# Altium PCB GN-1846-A-V2.PcbDoc (part 1 of 4)
Units mil, origin at the board's own origin, x right, y up, seen from the top; angles counter-clockwise.
Board outline 11624.17 x 2384.02 mil, 4 copper layers (Top, GND, VCC, Bottom), stack 40.7 mil thick; 450 components, 346 nets, 1652 pads, 832 vias.
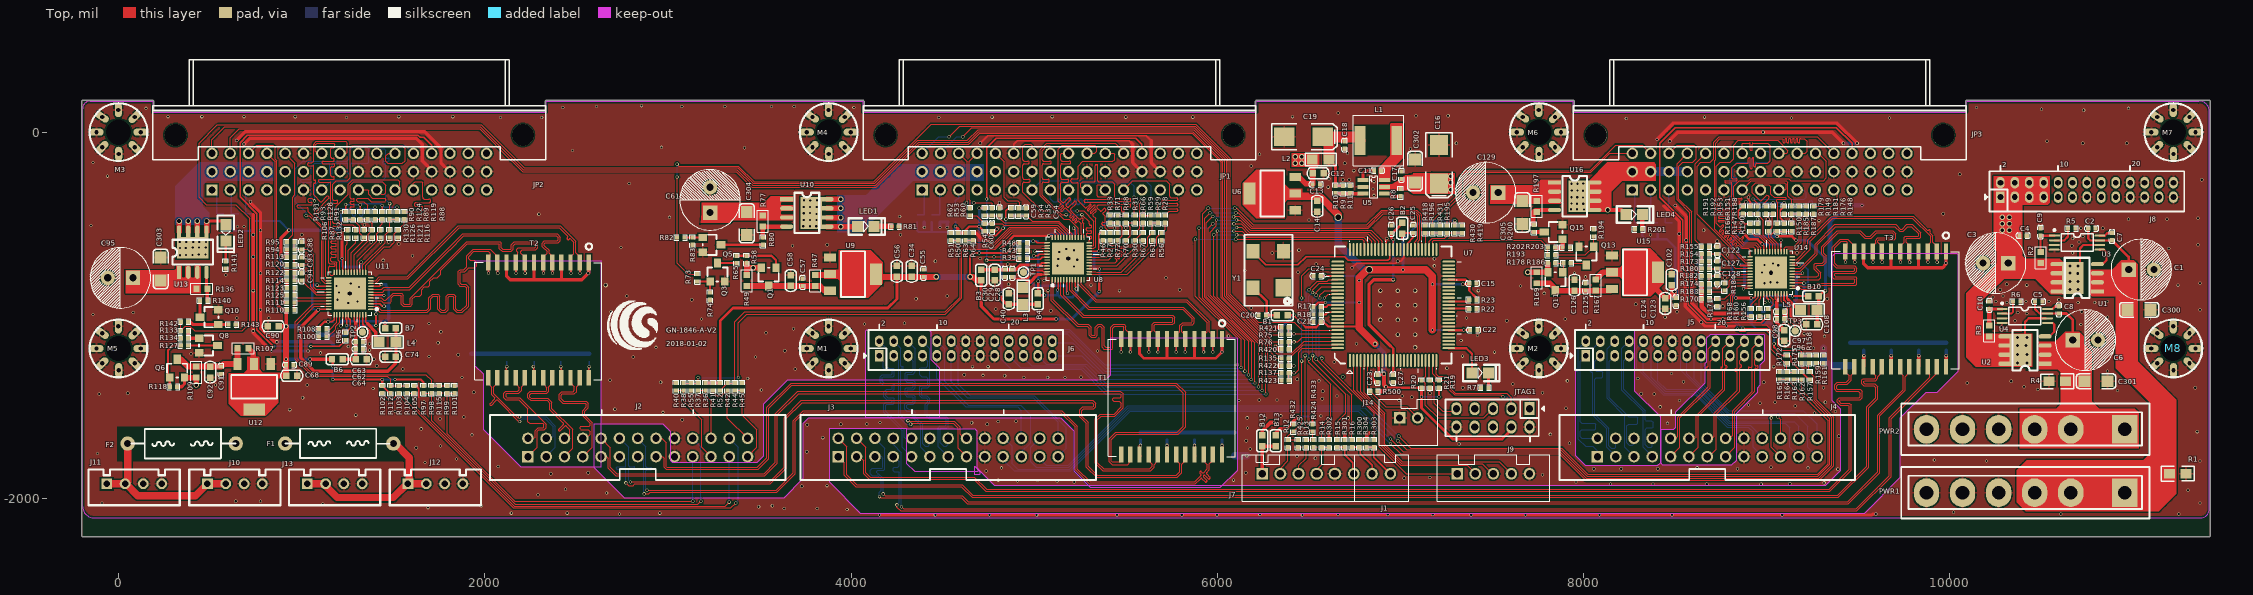
[diagram p0: Top view]
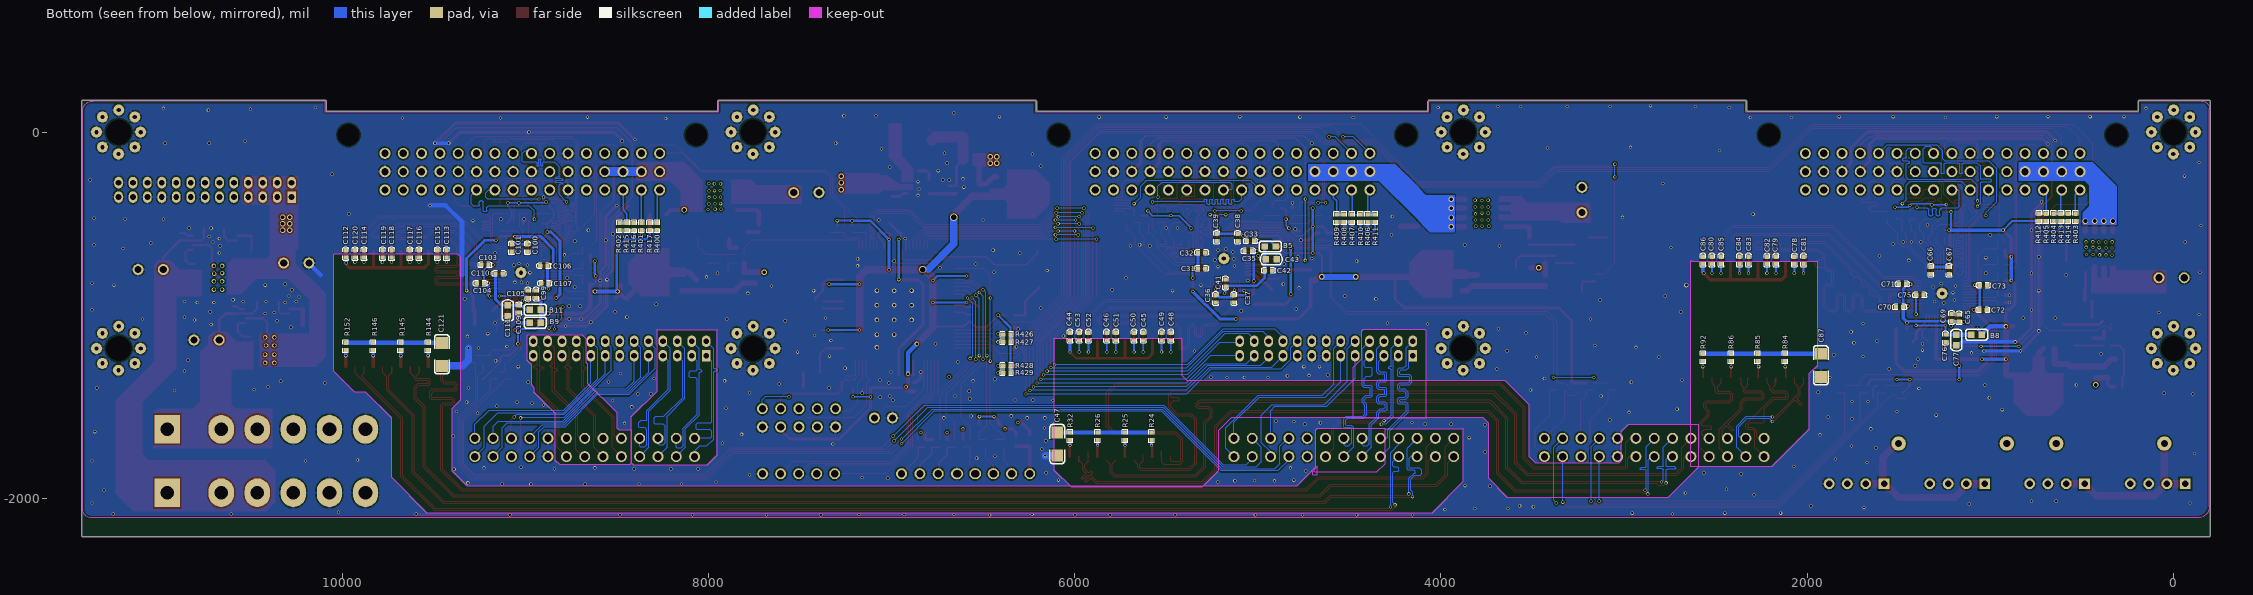
[diagram p1: Bottom view, seen from below]
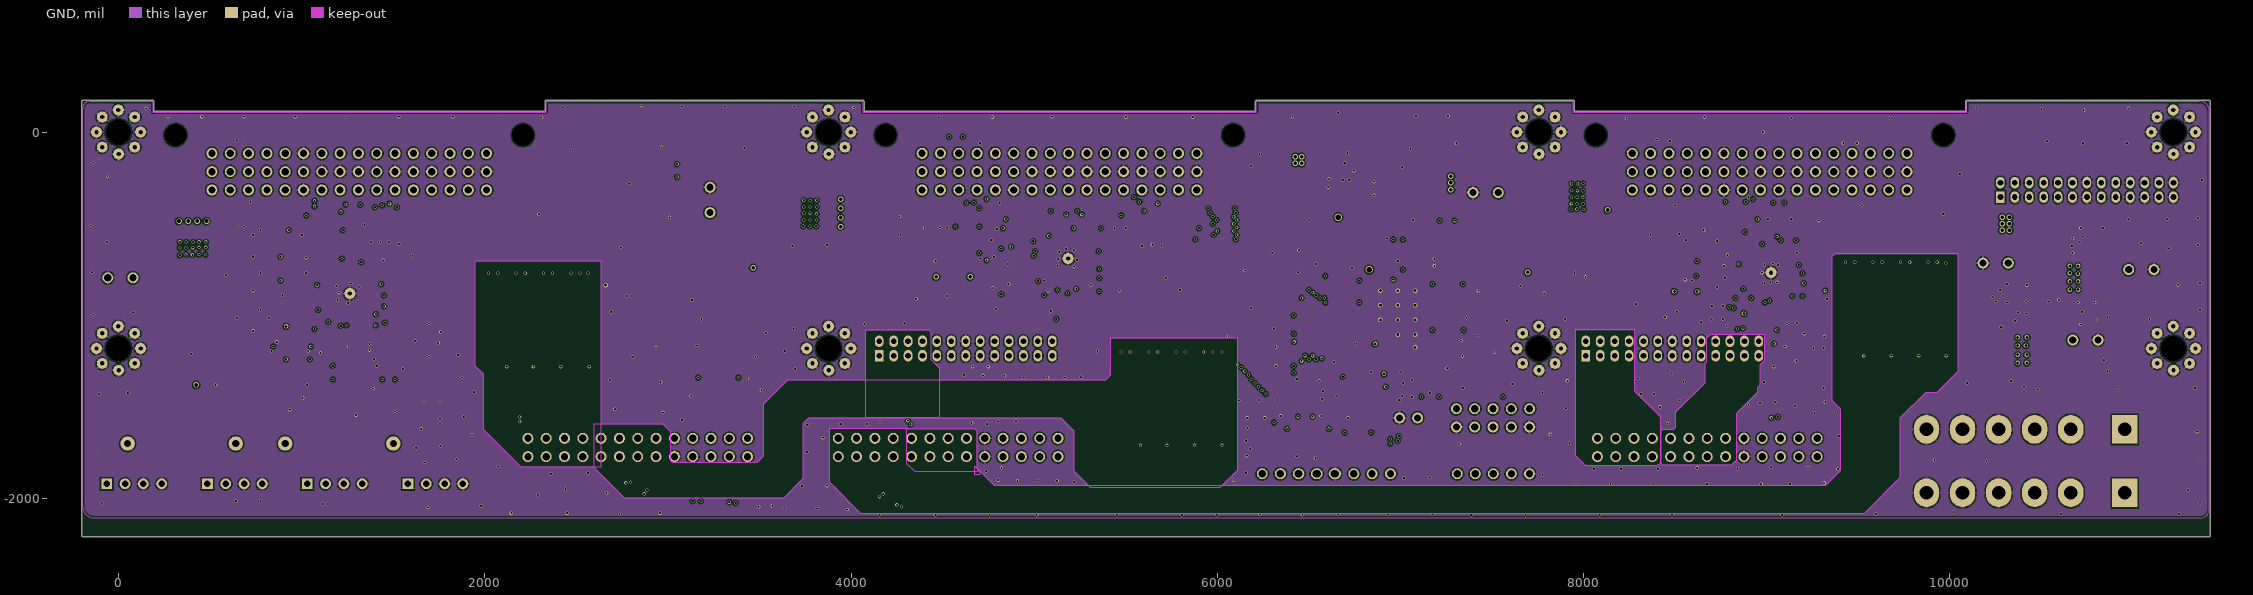
[diagram p2: GND]
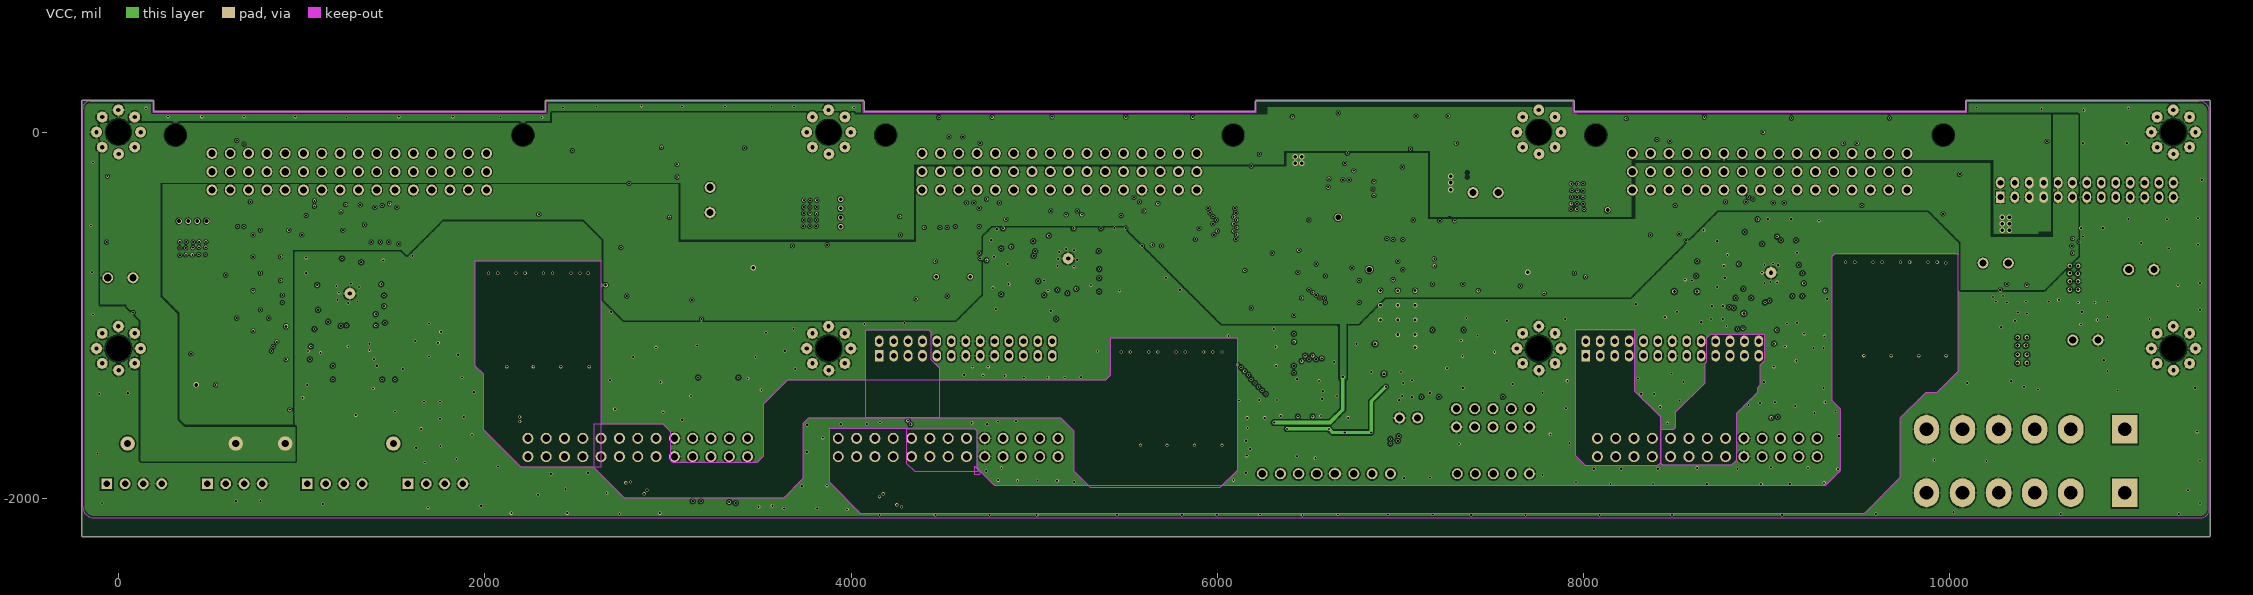
[diagram p3: VCC]

## Layer stack, top to bottom
Top: signal copper 1.35
Dielectric: core 10, FR-4, Dk 4.3
GND: signal copper 1.4
Dielectric: prepreg 12.6, FR-4, Dk 4.8
VCC: signal copper 1.4
Dielectric: core 12.6, FR-4, Dk 4.8
Bottom: signal copper 1.35

## Board outline
-201.85,-2204.72 -196.85,-2209.72 11417.32,-2209.72 11422.32,-2204.72 11422.32,169.29 11417.32,174.29 10090.55,174.29 10085.55,169.29 10085.55,115.24 7949.09,115.24 7949.09,169.29 7944.09,174.29 6212.6,174.29 6207.6,169.29 6207.6,115.24 4071.14,115.24 4071.14,169.29 4066.14,174.29 2334.25,174.29 2329.25,169.29 2329.25,115.24 193.19,115.24 193.19,169.29 188.19,174.29 -196.85,174.16 -201.85,169.16

## Design rules (kind name [scope] priority, off if disabled: settings)
Clearance "'Default' PADS rule_18" [All] p1: gap=5
ComponentClearance "'Default' PADS rule_12" [All] p1: gap=0 collisioncheckmode=3 verticalgap=0 showdistances=FALSE
FabricationTestPointUsage TestPointUsage [All] p1: valid=0 allowmultiple=FALSE
FabricationTestpoint Testpoint [All] p1: side=3 testpointundercomponent=TRUE minsize=40 maxsize=100 preferedsize=60 minholesize=0 maxholesize=40 preferedholesize=32 testpointgrid=1 allowsidetop=TRUE allowsidebottom=TRUE usegrid=TRUE gridtolerance=0.01
FlightTimeFalling "'Default' PADS rule_6" [All] p1: maximum=10.00
FlightTimeRising "'Default' PADS rule_5" [All] p1: maximum=10.00
Length "'Default' PADS rule" [All] p1: maxlimit=50000 minlimit=0
MaxMinImpedance "'Default' PADS rule_4" [All] p1: minimum=50.00 maximum=150.0
MinimumSolderMaskSliver [All] p1: minsoldermaskwidth=0
PlaneClearance "'Net' PADS rule_19" [InNet('GND')] p1: clearance=6
PlaneClearance "'Default' PADS rule_14" [All] p2: clearance=5
PlaneConnect "Power Plane Connect Style - pads with no thermal_20" [(Name='JTAG1-7') Or (Name='JTAG1-8') Or (Name='M1-1') Or (Name='M2-1') Or (Name='M3-1') Or (Name='M4-1') Or (Name='M5-1') Or (Name='M6-1') Or (Name='M7-1') Or (Name='M8-1')] p1: planeconnectstyle=Direct reliefexpansion=20 reliefentries=4 reliefconductorwidth=10 reliefairgap=10 // PAD - No Thermal Connect Rule
PlaneConnect "Power Plane Connect Style - pads with no thermal" [(Name='J7-5') Or (Name='JP1-A14') Or (Name='JP1-A15') Or (Name='JP1-A16') Or (Name='JP1-B5') Or (Name='JP1-B6') Or (Name='JP1-C1') Or (Name='JP1-C2') Or (Name='JP1-C3') Or (Name='JP1-C4') Or (Name='JP1-C5') Or (Name='JP1-C13') Or (Name='JP1-C14') Or (Name='JP1-C15') Or (Name='JP1-C16') Or (Name='JP1-0') Or (Name='JP1-0/2') Or (Name='JP2-A14') Or (Name='JP2-A15') Or (Name='JP2-A16') Or (Name='JP2-B5') Or (Name='JP2-B6') Or (Name='JP2-C1') Or (Name='JP2-C2') Or (Name='JP2-C3') Or (Name='JP2-C4') Or (Name='JP2-C5') Or (Name='JP2-C13') Or (Name='JP2-C14') Or (Name='JP2-C15') Or (Name='JP2-C16') Or (Name='JP2-0') Or (Name='JP2-0/2') Or (Name='JP3-A14') Or (Name='JP3-A15') Or (Name='JP3-A16') Or (Name='JP3-B5') Or (Name='JP3-B6') Or (Name='JP3-C1') Or (Name='JP3-C2') Or (Name='JP3-C3') Or (Name='JP3-C4') Or (Name='JP3-C5') Or (Name='JP3-C13') Or (Name='JP3-C14') Or (Name='JP3-C15') Or (Name='JP3-C16') Or (Name='JP3-0') Or (Name='JP3-0/2') Or (Name='JTAG1-6')] p2: planeconnectstyle=NoConnect reliefexpansion=20 reliefentries=4 reliefconductorwidth=10 reliefairgap=10 // PAD - No Thermal Connect Rule
PlaneConnect "Power Plane Connect Style - from global settings" [All] p3: planeconnectstyle=Direct reliefexpansion=20 reliefentries=4 reliefconductorwidth=15 reliefairgap=10
PolygonConnect PolygonConnect_1 [All vs isvia] p1: connectstyle=Direct reliefconductorwidth=10 reliefentries=4 polygonreliefangle="90 Angle"
PolygonConnect [All] p2: connectstyle=Relief reliefconductorwidth=10 reliefentries=4 polygonreliefangle="90 Angle"
RoomDefinition "P04 Power" [InComponentClass('P04 Power')] p1: confinementstyle=ConfineIn formatcopy=TRUE lockcomponents=FALSE outline -10196.85,-13767.85 -8196.85,-13767.85 -8196.85,-12767.85 -10196.85,-12767.85
RoomDefinition "P09 CONNECT & LED" [InComponentClass('P09 CONNECT & LED')] p2: confinementstyle=ConfineIn formatcopy=TRUE lockcomponents=FALSE outline -10196.85,-13767.85 -8196.85,-13767.85 -8196.85,-12767.85 -10196.85,-12767.85
RoomDefinition "P08 PHY 3" [InComponentClass('P08 PHY 3')] p3: confinementstyle=ConfineIn formatcopy=TRUE lockcomponents=FALSE outline -10196.85,-13767.85 -8196.85,-13767.85 -8196.85,-12767.85 -10196.85,-12767.85
RoomDefinition "P07 PHY 2" [InComponentClass('P07 PHY 2')] p4: confinementstyle=ConfineIn formatcopy=TRUE lockcomponents=FALSE outline -10196.85,-13767.85 -8196.85,-13767.85 -8196.85,-12767.85 -10196.85,-12767.85
RoomDefinition "P06 PHY 1" [InComponentClass('P06 PHY 1')] p5: confinementstyle=ConfineIn formatcopy=TRUE lockcomponents=FALSE outline -10196.85,-13767.85 -8196.85,-13767.85 -8196.85,-12767.85 -10196.85,-12767.85
RoutingLayers "'Default' PADS rule_10" [All] p1: top layer_v5=TRUE mid layer 1_v5=FALSE mid layer 2_v5=FALSE bottom layer_v5=TRUE
RoutingPriority "'Default' PADS rule_9" [All] p1: routingpriority=3
RoutingTopology "'Default' PADS rule_8" [All] p1: topology=Shortest
RoutingVias "'Default' PADS rule_11" [All] p1: holewidth=12 width=18 viastyle="Through Hole" minholewidth=12 minwidth=18 maxholewidth=12 maxwidth=18
SMDToCorner "'Default' PADS rule_16" [All] p1: distance=0
SMDToPlane "'Default' PADS rule_17" [All] p1: distance=50000
SilkToSilkClearance [All] p1: silktosilkclearance=0
SilkscreenOverComponentPads [All] p1: minsilkscreentomaskgap=0
SolderMaskExpansion [All] p1: expansion=4
Width "'Net' PADS rule" [InNet('GND')] p1: maxlimit=100 minlimit=5 preferedwidth=5
Width "'Default' PADS rule_13" [All] p2: maxlimit=100 minlimit=5 preferedwidth=5
17 further rules are at their usual default settings.

## Classes and differential pairs
component class "P04 Power": C1 C2 C3 C4 C5 C6 C7 C8 C9 C10 C11 C12 C13 C14 C15 C16 C17 C18 C19 C300 C301 C302 L1 L2 PWR1 PWR2 R1 R2 R3 R4 R5 R6 R8 R9 R10 R11 U1 U2 U3 U4 U5 U6
component class "P05 CPLD": B1 B2 B12 B13 C20 C21 C22 C23 C24 C25 C26 C27 F1 F2 J1 J7 J9 J10 J11 J12 J13 J14 JTAG1 LED3 R7 R12 R13 R14 R15 R16 R17 R18 R19 R20 R21 R22 R23 R300 R301 R302 R303 R304 R424 R425 R432 R433 R500 U7 Y1
component class "P06 PHY 1": B3 B4 B5 C28 C29 C30 C31 C32 C33 C34 C35 C36 C37 C38 C39 C40 C41 C42 C43 C44 C45 C46 C47 C48 C49 C50 C51 C52 C53 C54 C55 C56 C57 C58 C59 C60 C61 C304 JP1 L3 LED1 Q1 Q3 Q5 R24 R25 R26 R27 R28 R29 R30 R31 R32 R33 R34 R35 R36 R37 R38 R39 R40 R41 R42 R43 R44 R45 R46 R47 R48 R49 R50 R51 R52 R53 R54 R55 R56 R58 R59 R60 R61 R62 R63 R64 R65 R66 R67 R68 R70 R71 R72 R73 R74 R75 R76 R77 R80 R81 R82 R83 R406 R407 R408 R409 R410 R411 R420 R421 R426 R427 T1 TP1 U8 U9 U10
component class "P07 PHY 2": B6 B7 B8 C62 C63 C64 C65 C66 C67 C68 C69 C70 C71 C72 C73 C74 C75 C76 C77 C78 C79 C80 C81 C82 C83 C84 C85 C86 C87 C88 C89 C90 C91 C92 C93 C94 C95 C303 JP2 L4 LED2 Q6 Q8 Q10 R84 R85 R86 R87 R88 R89 R90 R91 R92 R93 R94 R95 R96 R97 R98 R99 R100 R101 R102 R103 R104 R105 R106 R107 R108 R109 R110 R111 R112 R113 R114 R115 R116 R118 R119 R120 R121 R122 R123 R124 R125 R126 R127 R128 R130 R131 R132 R133 R134 R135 R136 R137 R140 R141 R142 R143 R403 R404 R405 R412 R413 R414 R422 R423 R428 R429 T2 TP2 U11 U12 U13
component class "P08 PHY 3": B9 B10 B11 C96 C97 C98 C99 C100 C101 C102 C103 C104 C105 C106 C107 C108 C109 C110 C111 C112 C113 C114 C115 C116 C117 C118 C119 C120 C121 C122 C123 C124 C125 C126 C127 C128 C129 C305 JP3 L5 LED4 Q11 Q13 Q15 R144 R145 R146 R147 R148 R149 R150 R151 R152 R153 R154 R155 R156 R157 R158 R159 R160 R161 R162 R163 R164 R165 R166 R167 R168 R169 R170 R171 R172 R173 R174 R175 R176 R178 R179 R180 R181 R182 R183 R184 R185 R186 R187 R188 R190 R191 R192 R193 R194 R195 R196 R197 R200 R201 R202 R203 R400 R401 R402 R415 R416 R417 R418 R419 R430 R431 T3 TP3 U14 U15 U16
component class "P09 CONNECT & LED": J2 J3 J4 J5 J6 J8 M1 M2 M3 M4 M5 M6 M7 M8

## Components (designator, comment, footprint, x,y, rotation, side; value= is the part's Value field where it differs from the comment)
B1 "MGLB1608M600T3R0-LF" L0603 6355,-1000 r270 top
B2 "MGLB1608M600T3R0-LF" L0603 7010,-525 r180 top
B3 "MGLB1608M600T3R0-LF" L0603 4710,-780 r0 top
B4 "MGLB1608M600T3R0-LF" L0603 5020,-910 r0 top
B5 "MGLB1608M600T3R0-LF" L0603 4931.85,-624.16 r90 bottom
B6 "MGLB1608M600T3R0-LF" L0603 1195,-1240 r270 top
B7 "MGLB1608M600T3R0-LF" L0603 1485,-1070 r90 top
B8 "MGLB1608M600T3R0-LF" L0603 1075,-1105 r90 bottom
B9 "MGLB1608M600T3R0-LF" L0603 8945,-1040 r90 bottom
B10 "MGLB1608M600T3R0-LF" L0603 9255,-895 r90 top
B11 "MGLB1608M600T3R0-LF" L0603 8945,-970 r90 bottom
B12 "MGLB1608M600T3R0-LF" L0603 6245,-1685 r180 top
B13 "NC" L0603 6320,-1685 r180 top
C1 "220uF/25V/DIP" CE8X3.5 11045,-750 r0 top
C2 "0.1uF" 0402C 10755,-525 r0 top
C3 "220uF/25V/DIP" CE8X3.5 10250,-715 r180 top
C4 "0.1uF" 0402C 10380,-565 r0 top
C5 "0.1uF" 0402C 10465,-925 r0 top
C6 "220uF/25V/DIP" CE8X3.5 10740,-1135 r0 top
C7 "2200pF" 0402C 10885,-590 r90 top
C8 "2200pF" 0402C 10595,-990 r90 top
C9 "0.01uF" 0402C 10495,-565 r90 top
C10 "0.01uF" 0402C 10215,-965 r90 top
C11 "0.1uF/0603" 0402C 6855,-210 r0 top
C12 "10uF" C0603#1 6550,-225 r0 top
C13 "0.1uF" 0402C 6520,-285 r0 top
C14 "10uF" C0603#2 6545,-405 r270 top
C15 "0.1uF" 0402C 7375,-825 r0 top
C16 "22uF/25V/TD" C6032 7210,-280 r90 top
C17 "0.1uF" 0402C 7005,-255 r90 top
C18 "0.1uF" 0402C 6695,-50 r270 top
C19 "220uF/10V/TD" C6032 6575,-25 r180 top
C20 "0.1uF" 0402C 6225,-1000 r0 top
C21 "0.1uF" 0402C 6565,-1035 r180 top
C22 "0.1uF" 0402C 7380,-1080 r0 top
C23 "0.1uF" 0402C 6875,-1325 r270 top
C24 "0.1uF" 0402C 6565,-785 r180 top
C25 "0.1uF" 0402C 7070,-550 r90 top
C26 "0.1uF" 0402C 6950,-550 r90 top
C27 "0.1uF" 0402C 6960,-1325 r270 top
C28 "0.1uF" 0402C 4880,-750 r270 top
C29 "0.1uF" 0402C 4840,-750 r270 top
C30 "10uF" C0603#2 4785,-780 r270 top
C31 "0.1uF" 0402C 5326.38,-744.16 r180 bottom
C32 "0.1uF" 0402C 5326.38,-657.16 r180 bottom
C33 "0.1uF" 0402C 5020,-595 r0 bottom
C34 "10uF" C0603#2 4330,-760 r90 top
C35 "0.1uF" 0402C 5031.85,-649.16 r0 bottom
C36 "0.1uF" 0402C 5230,-890 r270 bottom
C37 "0.1uF" 0402C 5130,-890 r270 bottom
C38 "0.1uF" 0402C 5110,-555 r270 bottom
C39 "0.1uF" 0402C 5225,-555 r270 bottom
C40 "10uF" C0603#2 4860,-910 r90 top
C41 "0.1uF" 0402C 5176.85,-844.16 r90 bottom
C42 "0.1uF" 0402C 4961.38,-755 r180 bottom
C43 "10uF" C0603#2 4926.85,-694.16 r180 bottom
C44 "0.1uF" 0402C 6025,-1135 r90 bottom
C45 "nc" 0402C 5625,-1095 r270 bottom
C46 "nc" 0402C 5825,-1095 r270 bottom
C47 "1000pF/1KV" C1206 6095,-1640 r270 bottom
C48 "nc" 0402C 5475,-1095 r270 bottom
C49 "nc" 0402C 5525,-1095 r270 bottom
C50 "nc" 0402C 5675,-1095 r270 bottom
C51 "nc" 0402C 5775,-1095 r270 bottom
C52 "nc" 0402C 5925,-1095 r270 bottom
C53 "nc" 0402C 5975,-1095 r270 bottom
C54 "0.1uF" 0402C 4955,-415 r270 top
C55 "0.1uF" 0402C 4395,-790 r90 top
C56 "10uF" C0603#2 4250,-760 r90 top
C57 "0.1uF" 0402C 3735,-840 r90 top
C58 "10uF" C0603#2 3670,-810 r90 top
C59 "nc" 0402C 4810,-415 r270 top
C60 "nc" 0402C 4770,-540 r90 top
C61 "220uF/25V/DIP" CE8X3.5 3230,-370 r90 top
C62 "0.1uF" 0402C 1295,-1185 r0 top
C63 "0.1uF" 0402C 1295,-1145 r0 top
C64 "10uF" C0603#2 1325,-1240 r0 top
C65 "0.1uF" 0402C 1170,-1035 r90 bottom
C66 "0.1uF" 0402C 1325,-735 r270 bottom
C67 "0.1uF" 0402C 1225,-735.47 r270 bottom
C68 "10uF" C0603#2 945,-1330 r0 top
C69 "0.1uF" 0402C 1212.56,-1032.91 r90 bottom
C70 "0.1uF" 0402C 1475,-955 r0 bottom
C71 "0.1uF" 0402C 1460,-830 r0 bottom
C72 "0.1uF" 0402C 1059.83,-970.17 r180 bottom
C73 "0.1uF" 0402C 1057.68,-835.84 r180 bottom
C74 "10uF" C0603#2 1485,-1225 r180 top
C75 "0.1uF" 0402C 1404.53,-890 r180 bottom
C76 "0.1uF" 0402C 1245,-1105.47 r270 bottom
C77 "10uF" C0603#2 1185,-1135 r270 bottom
C78 "nc" 0402C 2070,-680 r270 bottom
C79 "nc" 0402C 2170,-680 r270 bottom
C80 "nc" 0402C 2520,-680 r270 bottom
C81 "nc" 0402C 2020,-680 r270 bottom
C82 "nc" 0402C 2220,-680 r270 bottom
C83 "nc" 0402C 2320,-680 r270 bottom
C84 "nc" 0402C 2370,-680 r270 bottom
C85 "nc" 0402C 2470,-680 r270 bottom
C86 "0.1uF" 0402C 2570,-720 r90 bottom
C87 "1000pF/1KV" C1206 1925,-1210 r270 bottom
C88 "0.1uF" 0402C 1000,-600 r270 top
C89 "0.1uF" 0402C 915,-1270 r0 top
C90 "10uF" C0603#2 845,-1060 r180 top
C91 "0.1uF" 0402C 560,-1280 r270 top
C92 "10uF" C0603#2 500,-1310 r270 top
C93 "nc" 0402C 1000,-685 r270 top
C94 "nc" 0402C 1000,-770 r270 top
C95 "220uF/25V/DIP" CE8X3.5 10,-795 r180 top
C96 "0.1uF" 0402C 9055,-1020 r0 top
C97 "0.1uF" 0402C 9055,-980 r0 top
C98 "10uF" C0603#2 9095,-1110 r270 top
C99 "0.1uF" 0402C 8940,-905 r90 bottom
C100 "0.1uF" 0402C 8988.39,-612.32 r270 bottom
C101 "0.1uF" 0402C 9075,-612.32 r270 bottom
C102 "10uF" C0603#2 8480,-805 r90 top
C103 "0.1uF" 0402C 9200,-725 r0 bottom
C104 "0.1uF" 0402C 9225,-825 r0 bottom
C105 "0.1uF" 0402C 8985,-905 r90 bottom
C106 "0.1uF" 0402C 8878.02,-730 r0 bottom
C107 "0.1uF" 0402C 8872.55,-825 r0 bottom
C108 "10uF" C0603#2 9245,-1050 r180 top
C109 "0.1uF" 0402C 9035,-945 r270 bottom
C110 "0.1uF" 0402C 9162.55,-772.22 r180 bottom
C111 "10uF" C0603#2 9095,-975 r270 bottom
C112 "0.1uF" 0402C 9980,-685 r90 bottom
C113 "nc" 0402C 9430,-645 r270 bottom
C114 "nc" 0402C 9880,-645 r270 bottom
C115 "nc" 0402C 9480,-645 r270 bottom
C116 "nc" 0402C 9580,-645 r270 bottom
C117 "nc" 0402C 9630,-645 r270 bottom
C118 "nc" 0402C 9730,-645 r270 bottom
C119 "nc" 0402C 9780,-645 r270 bottom
C120 "nc" 0402C 9930,-645 r270 bottom
C121 "1000pF/1KV" C1206 9455,-1150 r270 bottom
C122 "0.1uF" 0402C 8730,-625 r270 top
C123 "0.1uF" 0402C 8505,-905 r270 top
C124 "10uF" C0603#2 8445,-935 r270 top
C125 "0.1uF" 0402C 8010,-865 r90 top
C126 "10uF" C0603#2 7950,-835 r90 top
C127 "nc" 0402C 8730,-705 r270 top
C128 "nc" 0402C 8730,-825 r90 top
C129 "220uF/25V/DIP" CE8X3.5 7465,-330 r180 top
C300 "0.1uF" C1206 10970,-970 r0 top
C301 "0.1uF" C1206 10735,-1360 r0 top
C302 "nc" C1206 7080,-275 r90 top
C303 "10UF" C1206 230,-810 r90 top
C304 "10UF" C1206 3430,-435 r270 top
C305 "10UF" C1206 7665,-375 r270 top
F1 "Fuse 1" F15 910,-1700 r0 top
F2 "Fuse 1" F15 640,-1700 r180 top
J1 "8PIN_2.54MM" CON8_2D54MM_G 6245,-1865 r0 top
J2 "CON26A" HERDER2X13 2235,-1771.65 r0 top locked
J3 "CON26A" HERDER2X13 3930,-1771.65 r0 top locked
J4 "CON26A" HERDER2X13 8075,-1771.65 r0 top locked
J5 "CON14" HERDER13X2-2.0 8011.81,-1220.47 r0 top locked
J6 "CON14" HERDER13X2-2.0 4153.54,-1220.47 r0 top
J7 "5PIN_2.54MM" CON5_2D54MM_G 6245,-1865 r0 top
J8 "CON14" HERDER13X2-2.0 10275.59,-354.33 r0 top locked
J9 "5PIN_2.54MM" CON5_2D54MM_G 7310,-1865 r0 top
J10 "4PIN_2.54MM" SIP4 485,-1920 r0 top
J11 "4PIN_2.54MM" SIP4 -65,-1920 r0 top
J12 "4PIN_2.54MM" SIP4 1580,-1920 r0 top
J13 "4PIN_2.54MM" SIP4 1030,-1920 r0 top
J14 "2PIN_2.54MM" CN2 6995,-1560 r0 top
JP1 "3348RFRS-029" 3348RFRS-029 5137.8,-215.41 r180 top locked
JP2 "3348RFRS-029" 3348RFRS-029 1259.84,-215.52 r180 top locked
JP3 "3348RFRS-029" 3348RFRS-029 9015.75,-215.52 r180 top locked
JTAG1 "2x5_2.54MM" HERDER5X2 7705,-1510 r180 top
L1 "MPIT6045-100M-LF" MPI6045 6880,-45 r180 top
L2 "MPIT5040-3R3N-LF" FB0805 6610,-150 r180 top
L3 "CBC3225T4R7MR" FB0805 4940,-940 r90 top
L4 "CBC3225T4R7MR" FB0805 1515,-1145 r180 top
L5 "CBC3225T4R7MR" FB0805 9275,-970 r180 top
LED1 "GRE/0805" LED0805 4125,-515 r180 top
LED2 "GRE/0805" LED0805 585,-595 r90 top
LED3 "GRE/0805" LED0805 7480,-1315 r180 top
LED4 "GRE/0805" LED0805 8320,-450 r180 top
M1 "HOLE-8STARS" HK 3877.95,-1181.1 r0 top locked
M2 "HOLE-8STARS" HK 7755.91,-1181.1 r0 top locked
M3 "HOLE-8STARS" HK 0,0 r0 top locked
M4 "HOLE-8STARS" HK 3877.95,0 r0 top locked
M5 "HOLE-8STARS" HK 0,-1181.1 r0 top locked
M6 "HOLE-8STARS" HK 7755.91,0 r0 top locked
M7 "HOLE-8STARS" HK 11220.47,0 r0 top locked
M8 "HOLE-8STARS" HK 11220.47,-1181.1 r0 top locked
PWR1 "POWER_6P" TJC2-6 10955,-1968.5 r180 top
PWR2 "POWER_6P" TJC2-6 10955,-1622.05 r180 top
Q1 "P6403FMG" SOT23 3550,-790 r180 top
Q3 "MMBT3904" SOT23 3270,-765 r0 top
Q5 "MMBT3904" SOT23 3240,-615 r270 top
Q6 "P6403FMG" SOT23 320,-1290 r0 top
Q8 "MMBT3904" SOT23 490,-1165 r270 top
Q10 "MMBT3904" SOT23 495,-1010 r90 top
Q11 "P6403FMG" SOT23 7845,-815 r180 top
Q13 "MMBT3904" SOT23 8015,-675 r180 top
Q15 "MMBT3904" SOT23 7835,-545 r90 top
R1 "nc" 0805 11200,-1865 r270 top
R2 "10" R0603 10495,-685 r90 top
R3 "10" R0603 10215,-1085 r90 top
R4 "nc" 0805 10630,-1360 r90 top
R5 "40.2K/1%" 0402R 10645,-525 r0 top
R6 "40.2K/1%" 0402R 10345,-925 r0 top
R7 "5.1K" 0402R 7440,-1395 r0 top
R8 "100K" 0402R 7000,-310 r270 top
R9 "62K/1%" 0402R 6685.51,-292.35 r270 top
R10 "nc" 0402R 6645.51,-292.35 r270 top
R11 "7.5K/1%" 0402R 6725.51,-332.35 r90 top
R12 "100" 0402R 6385,-1680 r270 top
R13 "100" 0402R 6485,-1680 r270 top
R14 "100" 0402R 6570,-1680 r270 top
R15 "100" 0402R 6655,-1680 r270 top
R16 "100" 0402R 6735,-1680 r270 top
R17 "nc" 0402R 6525,-955 r0 top
R18 "nc" 0402R 6525,-995 r0 top
R19 "4.7K" 0402R 7210,-1395 r90 top
R20 "4.7K" 0402R 7115,-1395 r90 top
R21 "4.7K" 0402R 7160,-1355 r270 top
R22 "nc" 0402R 7375,-965 r0 top
R23 "nc" 0402R 7375,-915 r0 top
R24 "75" 0402R 5580,-1680 r90 bottom
R25 "75" 0402R 5725,-1680 r90 bottom
R26 "75" 0402R 5875,-1680 r90 bottom
R27 "33" 0402R 5415,-550 r270 top
R28 "33" 0402R 5715,-455 r270 top
R29 "33" 0402R 5675,-455 r270 top
R30 "33" 0402R 5550,-550 r270 top
R31 "33" 0402R 5550,-455 r270 top
R32 "75" 0402R 6025,-1680 r90 bottom
R33 "33" 0402R 5415,-455 r270 top
R34 "nc" 0402R 4875,-415 r270 top
R35 "33" 0402R 4915,-415 r270 top
R36 "nc" 0402R 3205,-1370 r270 top
R37 "0" 0402R 3165,-1370 r270 top
R38 "nc" 0402R 3085,-1370 r270 top
R39 "33" 0402R 4920,-690 r0 top
R40 "4.7K" 0402R 3045,-1370 r270 top
R41 "4.7K" 0402R 3245,-1370 r270 top
R42 "nc" 0402R 3325,-1370 r270 top
R43 "2.49K/1%" 0402R 4920,-645 r0 top
R44 "0" 0402R 3365,-1370 r270 top
R45 "nc" 0402R 3405,-1370 r270 top